# Altium PCB as_x31.PcbDoc (part 5 of 5) (continued)
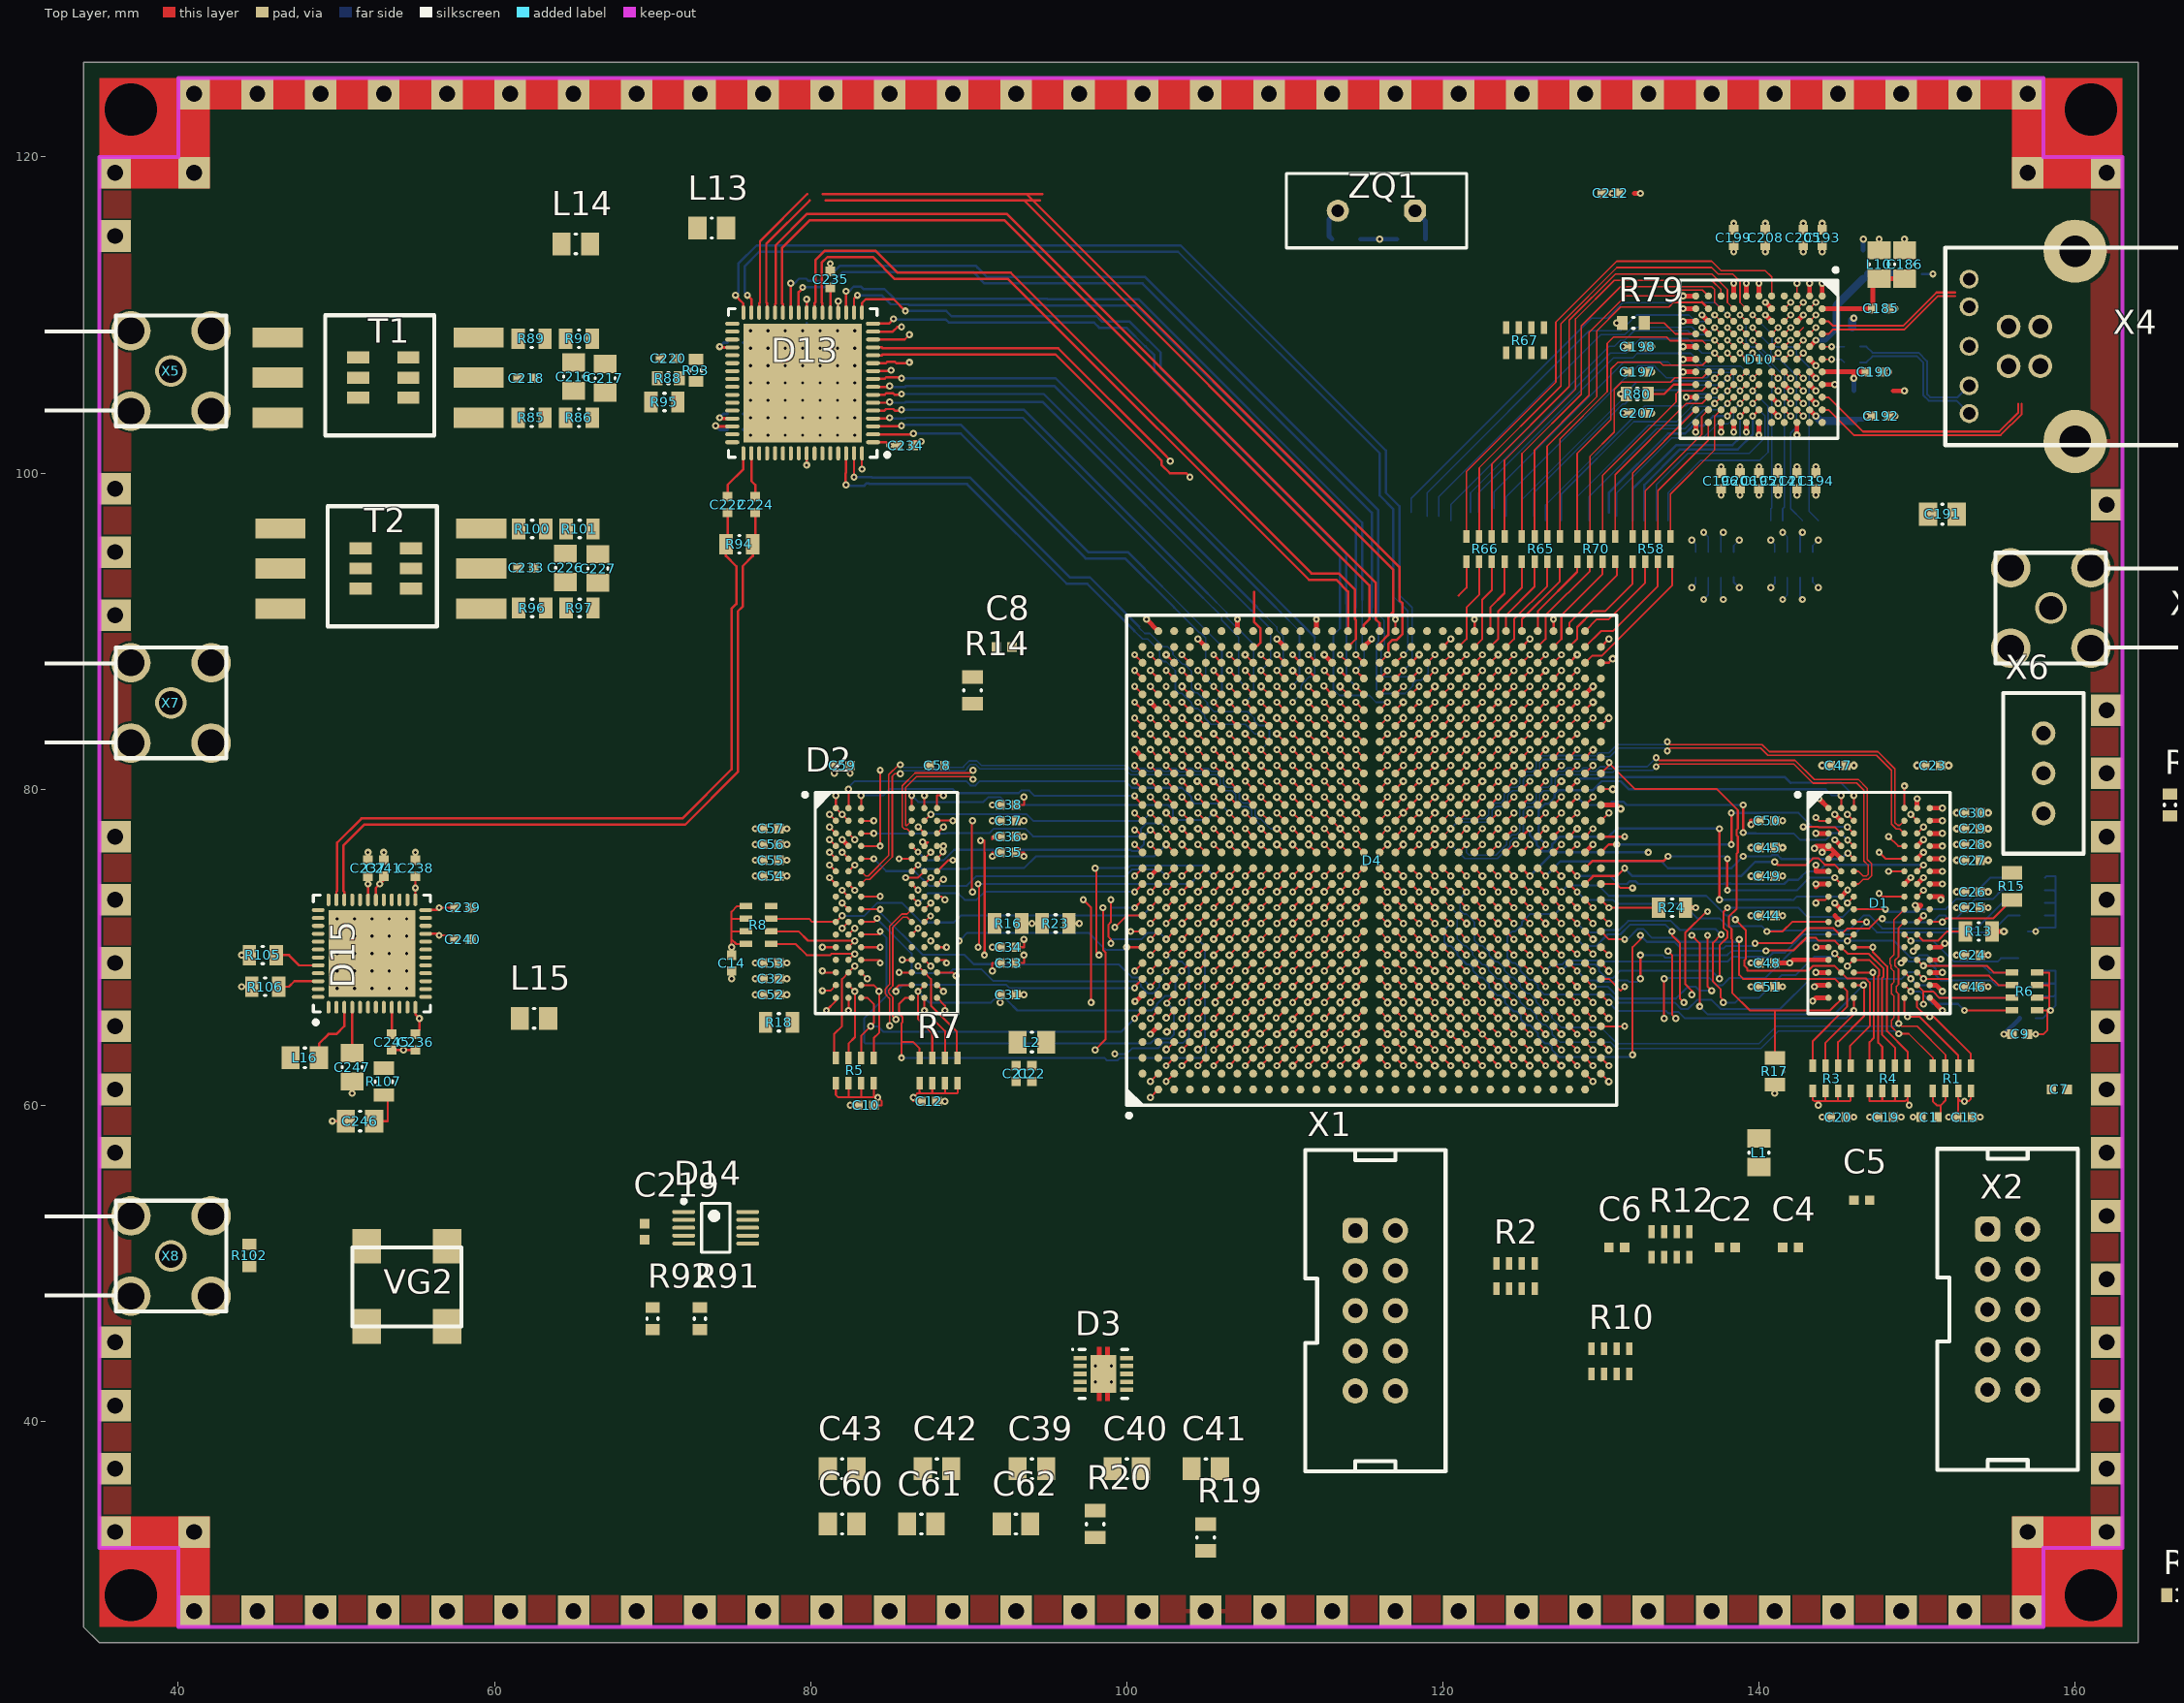
[diagram p0: Top Layer view]
## Nets (pads, with @x,y where several pads share a name; then routed paths per layer and width w, separated by ;. In a path a pad name is that pad's centre, name@x,y a point inside that pad or via, vN(x,y) a via of type N, cw(c..) or ccw(c..) an arc to the next point about the centre after c; other vN are vias at no path point) (continued)
V1P2D: C184.2 C192.2 C193.2 C194.2 C195.2 C196.2 C197.2 C198.2 C199.2 C200.2 C201.2 D10.B10 D10.C3 D10.E9 D10.F11 D10.H1 D10.J11 D10.L5 D10.L7 D12.10 D12.11 D12.12 D12.13 D12.14 L10.1 L11.1 L12.1 R82.2 | length 13.5
  Top Layer w0.3: C197.2@132.8,106.4 v1(133.2,106.4) ; C198.2@132.8,108 v1(133.2,108) ; v1(135.2,106.4) D10.L7@136,106.4 ; v1(135.2,108) D10.L5@136,108 ; C196.2@137.6,100 v1(137.6,100.4) ; v1(137.6,102.6) D10.J11@137.6,103.2 ; D10.H1@138.4,111.2 v1(138.4,112) ; v1(138.4,114) C199.2@138.4,114.4 ; C195.2@140,100 v1(140,100.4) ; v1(140,102.4) D10.F11@140,103.2 ; D10.E9@140.8,104.8 v1(141.2,104.4) ; D10.C3@142.4,109.6 v1(142.8,110) ; D10.B10@143.2,104 v1(143.6,103.6) ; C194.2@143.6,100 v1(143.6,100.4) ; v1(144,114) C193.2@144,114.4 ; v1(146.8,103.6) C192.2@147.2,103.6 ; L10.1@147.6,114.1 v1(147.6,114.8)
  Bottom Layer w0.3: L12.1@146,103.4 146.6,103.4 v1(146.8,103.6) ; L11.1@146.6,114.1 v1(146.6,114.8)
  Bottom Layer w0.5: v1(143.6,103.6) 143.9,103.3 L12.1@146,103.3
V1P5D: C23.2 C24.2 C25.2 C26.2 C27.2 C28.2 C29.2 C30.2 C31.2 C32.2 C33.2 C34.2 C35.2 C36.2 C37.2 C38.2 C42.2 C44.2 C45.2 C46.2 C47.2 C48.2 C49.2 C50.2 C51.2 C52.2 C53.2 C54.2 C55.2 C56.2 C57.2 C58.2 C59.2 C61.2 C62.2 C111.2 C112.2 C113.2 C114.2 C115.2 C116.2 C117.2 C124.2 C125.2 C126.2 C127.2 C128.2 C129.2 C130.2 C135.2 C136.2 C137.2 C138.2 C171.2 C172.2 D1.A1 D1.A8 D1.B2 D1.C1 D1.C9 D1.D2 D1.D9 D1.E9 D1.F1 D1.G7 D1.H2 D1.H9 D1.K2 D1.K8 D1.N1 D1.N9 D1.R1 D1.R9 D2.A1 D2.A8 D2.B2 D2.C1 D2.C9 D2.D2 D2.D9 D2.E9 D2.F1 D2.G7 D2.H2 D2.H9 D2.K2 D2.K8 D2.N1 D2.N9 D2.R1 D2.R9 D3.2 D3.7 D3.10 D4.A7 D4.A22 D4.AA12 D4.AB15 D4.AC18 D4.AD21 D4.AE14 D4.AF17 D4.AG10 D4.AG20 D4.AH13 D4.AH23 D4.AJ16 D4.AJ26 D4.AK4 D4.AK9 D4.AK19 D4.B5 D4.B15 D4.B25 D4.C8 D4.C18 D4.D11 D4.D21 D4.E14 D4.E24 D4.F7 D4.F17 D4.G10 D4.G20 D4.H10 D4.H13 D4.H23 D4.J16 D4.K19 D4.L12 D4.Y19 D9.10 D9.11 D9.12 D9.13 D9.14 R17.1 R18.1 R19.2 R51.2 | length 74.9
  Top Layer w0.125: v1(76.5,74.5) C54.2@77,74.5 ; v1(76.5,75.5) C55.2@77,75.5 ; v1(76.5,76.5) C56.2@77,76.5 ; v1(76.5,77.5) C57.2@77,77.5 ; C52.2@78,67 v1@78.5,67 ; C32.2@78,68 v1(78.5,68) ; C53.2@78,69 v1(78.5,69) ; v1(80.75,67.25) 81.25,67.25 D2.R1@81.6,67.6 ; v1(81.2,75.2) D2.F1@81.6,74.8 ; v1(81.2,77.6) D2.C1@81.6,77.2 ; v1(81.5,81) C59.2@81.5,81.5 ; v1(81.6,79.6) D2.A1@81.6,78.8 v1(82,78.4) D2.B2@82.4,78 ; v1(82,71.2) D2.K2@82.4,71.6 ; v1(82,73.6) D2.H2@82.4,73.2 ; D2.G7@86.4,74 86.797,73.603 v1(86.797,73.625) ; D2.K8@87.2,71.6 87.6,72 87.597,71.997 v1(87.597,71.975) ; D2.A8@87.2,78.8 v1(87.2,79.6) ; D2.R9@88,67.6 v1(88.4,67.2) ; D2.N9@88,69.2 88.6,69.2 v1(88.6,69) ; D2.H9@88,73.2 88.3,73.2 v1(88.5,73) ; D2.E9@88,75.6 88.4,76 v1(88.367,76.033) ; D2.D9@88,76.4 v1(88.4,76.4) ; D2.C9@88,77.2 v1(88.4,77.6) ; v1(91.5,68.5) 91.5,69 C33.2@92,69 ; v1(91.5,70) C34.2@92,70 ; v1(91.5,75.75) 91.5,76 ; 91.5,76 C35.2@92,76 ; v1(91.5,78) C37.2@92,78 ; v1(91.5,79) C38.2@92,79 ; v1(91.75,77) 91.675,77 91.5,76.825 91.5,77 C36.2@92,77 ; v1(92,66.5) C31.2@92,67 ; v2(102.5,67.5) D4.C8@103,68 ; v2(102.5,78.5) D4.C18@103,78 ; v2(103.5,70.5) D4.D11@104,71 ; v2(103.5,81.5) D4.D21@104,81 ; v2(104.5,73.5) D4.E14@105,74 ; v2(104.5,84.5) D4.E24@105,84 ; v1(105.5,77.5) D4.F17@106,77 ; v2(105.6,66.5) v2@105.5,66.5 ; v2(106.5,69.5) D4.G10@107,70 ; v1(106.5,80.5) D4.G20@107,80 ; v1(107.5,69.5) D4.H10@108,70 ; v2(107.5,72.5) D4.H13@108,73 ; v2(107.5,83.5) D4.H23@108,83 ; v2(108.505,76.479) 108.505,76.495 108.5,76.5 D4.J16@109,76 ; v2(109.5,79.5) D4.K19@110,79 ; v2(110.5,71.5) D4.L12@111,72 ; D4.Y19@120,79 v2(120.5,79.5) ; D4.AA12@121,72 v2(121.5,71.5) ; D4.AB15@122,75 v2(122.5,74.5) ; D4.AC18@123,78 v1(123.5,78.5) ; v2(124.506,81.479) 124.506,81.494 v2@124.5,81.5 ; D4.AE14@125,74 v1(125.5,73.5) ; D4.AF17@126,77 v2(126.5,77.5) ; D4.AG10@127,70 v1(127.5,69.5) ; D4.AG20@127,80 v2(127.5,80.5) ; D4.AH13@128,73 v2(128.5,72.5) ; D4.AH23@128,83 v1(128.5,83.5) ; D4.AK4@130,64 v2(130.5,63.5) ; D4.AK9@130,69 v2(130.5,68.5) ; v1(88.4,77.6) 88.5,77.5 88.5,77.775 88.4,77.675 v1(88.4,77.6) ; v2@105.5,66.5 v2@105.55,66.55 ; v2@105.5,66.5 D4.F7@106,67 ; v2@105.5,66.5 v2@105.55,66.55 ; v2@105.55,66.55 D4.F7@106,67 ; v2@105.55,66.55 D4.F7@106,67 ; v2@124.5,81.5 124.493,81.493 D4.AD21@124,81 v2@124.5,81.5
  Top Layer w0.3: v1(82,76.8) D2.D2@82.4,76.4 ; v1(100.5,82.5) D4.A22@101,82 ; v1(100.526,66.575) 100.5,66.575 100.5,66.5 D4.A7@101,67 ; v1(101.5,64.5) D4.B5@102,65 ; v1(101.5,74.5) D4.B15@102,75 ; v1(101.5,85.5) D4.B25@102,85 ; D4.AJ16@129,76 v1(129.5,76.5) ; D4.AJ26@129,86 v2(129.5,86.5) ; D4.AK19@130,79 131,79 v2(131.25,78.75) ; v1(141,60.75) R17.1@141,61.3 ; C51.2@141,67.5 v1(141.5,67.5) ; C48.2@141,69 v1(141.95,69) 142.15,69.2 D1.N1@144.4,69.2 ; C44.2@141,72 v1(141.5,72) ; C49.2@141,74.5 v1(141.5,74.5) ; C45.2@141,76.3 v2(141.5,76.3) ; C50.2@141,78 v1(141.5,78) ; v1(143.5,67.5) 143.6,67.6 D1.R1@144.4,67.6 ; v1(143.6,75.2) 143.6,74.8 D1.F1@144.4,74.8 ; v1(143.6,77.2) D1.C1@144.4,77.2 ; v1(143.8,79.4) D1.A1@144.4,78.8 ; v2(144,81.5) C47.2@144.5,81.5 ; v1(144.789,76.789) 144.8,76.8 D1.D2@145.2,76.4 ; 144.8,72 D1.K2@145.2,71.6 145,71.8 v1(145,71.5) ; v1(144.8,78.4) D1.B2@145.2,78 ; D1.H2@145.2,73.2 145.603,73.603 v1(145.603,73.625) ; D1.G7@149.2,74 v1(149.6,74.4) ; D1.K8@150,71.6 v1(150.4,72) ; D1.A8@150,78.8 v1(150,79.4) ; v2(150,81.5) C23.2@150.5,81.5 ; D1.R9@150.8,67.6 151.2,67.6 v1(151.6,67.2) ; D1.N9@150.8,69.2 151.4,69.2 151.45,69.25 v1(151.5,69.25) ; D1.H9@150.8,73.2 151.6,73.2 151.5,73.1 v1(151.5,73) ; D1.E9@150.8,75.6 v1(151.6,75.6) ; D1.D9@150.8,76.4 v1(151.6,76.4) ; D1.C9@150.8,77.2 v1(151.6,77.2) ; v1(152.5,67.5) C46.2@153,67.5 ; v1(152.5,69.5) C24.2@153,69.5 ; v1(152.5,72.5) C25.2@153,72.5 ; v2(152.5,73.5) C26.2@153,73.5 ; v2(152.5,75.5) C27.2@153,75.5 ; v1(152.5,76.5) C28.2@153,76.5 ; v2(152.5,77.5) C29.2@153,77.5 ; v2(152.5,78.5) C30.2@153,78.5
  other v1: 78.5,67
V1P8A: C230.2 C231.2 C232.2 D13.36 D13.45 D13.46 L13.1 | length 4.8
  Top Layer w0.2: v1(74,103) 74.05,102.95 D13.46@75.05,102.95 ; v1(74.25,103.5) 74.3,103.45 D13.45@75.05,103.45 ; v1(74.25,108) 74.3,107.95 D13.36@75.05,107.95
  Bottom Layer w0.2: v1(74,103) 74.25,102.75 C231.2@74.75,102.75 ; v1(74.25,103.5) 74.5,103.75 C232.2@74.75,103.75 ; v1(74.25,108) 74.5,108.25 C230.2@74.75,108.25
V1P8D: C147.2 C148.2 C202.2 C203.2 C204.2 C205.2 C206.2 C207.2 C208.2 C234.2 C235.2 D9.1 D9.2 D9.3 D9.4 D9.15 D9.16 D10.B1 D10.E3 D10.F1 D10.H11 D10.L9 D12.1 D12.2 D12.3 D12.4 D12.15 D12.16 D13.1 D13.21 L5.2 L6.2 L13.2 L14.2 R40.2 R56.2 R77.2 R78.2 R81.2 R84.2 | length 8.2
  Top Layer w0.15: D13.21@81.25,110.15 C235.2@81.25,111.75 ; D13.1@83.95,101.95 84.8,101.95 v1(85,101.75) C234.2@85.5,101.75
  Top Layer w0.3: C207.2@132.8,103.8 v1(133.2,103.8) ; v1(135.4,104.8) D10.L9@136,104.8 ; v1(138.4,102.6) D10.H11@138.4,103.2 ; C206.2@138.8,100 v1(138.8,100.4) ; D10.F1@140,111.2 v1(140,112) ; v1(140.4,110) D10.E3@140.8,109.6 ; v1(140.4,114) C208.2@140.4,114.4 ; v1(142.8,114) C205.2@142.8,114.4 ; D10.B1@143.2,111.2 v1(143.2,112)
V1P8DVDD: C228.2 C229.2 D13.24 D13.57 L14.1 | length 2.6
  Top Layer w0.15: v1(79.75,100.5) D13.57@79.75,101.25 ; D13.24@79.75,110.15 v1(79.75,111)
  Bottom Layer w0.15: v1(79.75,100.5) C229.2@79.75,101 ; C228.2@79.75,110.5 v1(79.75,111)
V2P5D: C97.2 C98.2 C99.2 C100.2 C101.2 C102.2 C103.2 C104.2 C105.2 C106.2 C107.2 C108.2 C122.2 C123.2 C131.2 C132.2 C133.2 C134.2 C139.2 C140.2 C141.2 C142.2 C162.2 C163.2 D4.AA22 D4.AB11 D4.AB25 D4.AC12 D4.AC17 D4.AC20 D4.AC28 D4.AD10 D4.AD15 D4.AE11 D4.AE21 D4.AE24 D4.AF27 D4.AG30 D4.C28 D4.D24 D4.F11 D4.F21 D4.F23 D4.F27 D4.G13 D4.G16 D4.G19 D4.G30 D4.J26 D4.K23 D4.K29 D4.L22 D4.M24 D4.M25 D4.N28 D4.P21 D4.P24 D4.R24 D4.T26 D4.T27 D4.U24 D4.U30 D4.W23 D4.W25 D4.W26 D4.Y29 L3.2 L4.2 L8.2 R47.2 | length 30.6
  Top Layer w0.125: v2(103.5,84.5) D4.D24@104,84 ; v2(105.5,70.5) D4.F11@106,71 ; v1(105.5,81.5) D4.F21@106,81 ; v2(105.5,83.5) D4.F23@106,83 ; v1(106.5,72.5) D4.G13@107,73 ; v2(106.5,76.5) D4.G16@107,76 ; v2(106.5,79.5) D4.G19@107,79 ; v2(108.5,86.5) D4.J26@109,86 ; v2(109.5,83.5) D4.K23@110,83 ; v1(110.5,82.5) D4.L22@111,82 ; v1(111.5,84.5) D4.M24@112,84 ; v2(111.5,85.5) D4.M25@112,85 ; v2(113.5,81.5) D4.P21@114,81 ; v2(113.5,84.5) D4.P24@114,84 ; v1(114.5,84.5) D4.R24@115,84 ; D4.U24@117,84 v2(117.5,84.5) ; D4.W23@119,83 v2(119.5,83.5) ; D4.AA22@121,82 v2(121.5,82.5) ; D4.AB11@122,71 v1(122.5,70.5) ; D4.AC12@123,72 v2(123.5,71.5) ; D4.AC17@123,77 v2(123.5,77.5) ; D4.AC28@123,88 v2(123.5,88.5) ; v1(123.506,80.479) 123.506,80.494 v1@123.5,80.5 ; D4.AD10@124,70 v1(124.5,69.5) ; D4.AD15@124,75 v2(124.5,74.5) ; D4.AE11@125,71 v2(125.5,70.5) ; D4.AE21@125,81 v2(125.5,81.5) ; v1@123.5,80.5 123.492,80.492 D4.AC20@123,80 v1@123.5,80.5
  Top Layer w0.15: v2(102.5,88.5) D4.C28@103,88 ; v1(105.5,87.5) D4.F27@106,87 ; D4.T26@116,86 v2(116.5,86.5) ; D4.T27@116,87 v1(116.5,87.5) ; D4.U30@117,90 v1(117,90.75) ; D4.W25@119,85 v1(119.5,85.5) ; D4.W26@119,86 v2(119.5,86.5) ; D4.Y29@120,89 v1(120.5,89.5) ; D4.AB25@122,85 v1(122.5,85.5) ; D4.AE24@125,84 v2(125.5,84.5) ; D4.AF27@126,87 v2(126.5,87.5) ; D4.AG30@127,90 v1(127,90.75)
  Top Layer w0.3: D4.G30@107,90 v1(107,90.75) ; v1(109.5,89.5) D4.K29@110,89 ; v2(112.5,88.5) D4.N28@113,88
V3P3D: C145.2 C146.2 C159.2 C160.2 C173.1 C174.1 C175.1 C176.1 C209.2 C210.2 C211.2 C212.2 C213.2 C214.2 C223.2 D5.8 D6.4 D6.6 D6.7 D6.10 D6.11 D6.12 D6.18 D6.19 D6.20 D6.21 D10.B6 D10.C11 D10.E10 D11.8 D14.2 L9.2 L15.2 R34.2 R50.2 R62.1 R75.2 R76.2 R91.2 R102.1 R103.2 R108.1 VD2.2 VG1.4 VG2.4 X2.5 X2.7 | length 2.7
  Top Layer w0.3: D10.E10@140.8,104 v1(141.2,103.6) ; C214.2@141.2,100 v1(141.2,100.4) ; C213.2@142.4,100 v1(142.4,100.4) ; v1(142.4,102.4) D10.C11@142.4,103.2 ; D10.B6@143.2,107.2 v1(143.6,106.8)
VCC_AUX: C82.2 C83.2 C84.2 C85.2 C86.2 D4.AC10 D4.AC16 D4.AD22 D4.G11 D4.H16 D4.H22 L4.1 | length 4.2
  Top Layer w0.125: v2(106.5,70.5) D4.G11@107,71 ; v2(107.5,76.5) D4.H16@108,76 ; v1(107.5,82.5) D4.H22@108,82 ; D4.AC10@123,70 v2(123.5,69.5) ; D4.AC16@123,76 v1(123.5,76.5) ; D4.AD22@124,82 v2(124.5,82.5)
VCCPGM: C95.2 C96.2 C109.2 C110.2 D4.AB24 D4.AC8 D4.AC11 D4.AD11 D4.F10 D4.U10 D4.Y9 L5.1 R25.1 R26.1 R27.2 R28.2 R29.2 R30.1 R31.1 R32.1 X1.4 | length 4.9
  Top Layer w0.125: v2(105.5,69.5) D4.F10@106,70 ; D4.U10@117,70 v1(117.5,69.5) ; D4.Y9@120,69 v2(120.5,68.5) ; D4.AC8@123,68 v2(123.5,67.5) ; D4.AC11@123,71 v1(123.5,70.5) ; D4.AD11@124,71 v1(124.5,70.5)
  Top Layer w0.15: D4.AB24@122,84 v2(122.5,84.5)
VREF: C220.1 C221.1 D13.39 R93.2
VREFDDR0: C3.1 C5.1 C7.1 C9.1 C11.1 C13.1 C15.2 C16.2 C19.2 C20.2 C118.2 C119.2 D1.H1 D1.M8 D4.AH16 D4.AJ13 L1.2 R1.3 R1.4 R3.1 R3.2 R3.3 R3.4 R4.1 R4.2 R4.3 R4.4 R6.1 R6.2 R6.3 R6.4 R9.1 R9.2 R9.3 R9.4 R11.1 R11.2 R11.3 R11.4 | length 45.3
  Top Layer w0.125: D4.AH16@128,76 v1(128.5,76.5) ; D4.AJ13@129,73 v1(129.5,72.5) ; R3.1@143.4,60.9 143.4,60.35 143.5,60.25 ; v1(143.6,72.8) 143.6,73 144.2,73 D1.H1@144.4,73.2 ; v1(143.75,60) 143.75,60.25 ; v1(144,59.25) C20.2@144.5,59.25 ; 144.2,60.3 R3.2@144.2,60.9 ; R3.3@145,60.9 145,60.25 ; R3.4@145.8,60.9 145.8,60.3 145.75,60.25 145,60.25 ; R4.1@147,60.9 147,60.25 147.75,60.25 ; R4.2@147.8,60.9 147.8,60.3 147.75,60.25 ; C19.2@148.5,59.25 v1(149,59.25) ; R4.3@148.6,60.9 148.6,60.35 148.5,60.25 ; R4.4@149.4,60.9 149.4,60.4 ; v1(149.5,60) 149.4,60.1 149.4,60.4 ; v1(149.76,69.76) D1.M8@150,70 ; v1(152,59.25) C13.1@152.5,59.25 ; C13.1@152.6,59.35 152.6,60.4 ; R1.3@152.6,60.9 152.6,60.4 ; R1.4@153.4,60.9 153.4,60.4 153.25,60.25 v1(153,60.25) 152.75,60.25 152.6,60.4 ; C9.1@157,64.5 v1(157.5,64.5) 158,64.5 158.25,64.75 ; R6.1@157.6,66 v1@158.25,66 ; R6.2@157.6,66.8 158.35,66.8 ; R6.3@157.6,67.6 158.25,67.6 158.35,67.5 ; R6.4@157.6,68.4 158.35,68.4 158.35,67.5 ; v1@158.35,66.1 158.35,66.8 ; v1(158.45,66) v1@158.25,66 ; 143.5,60.25 143.75,60.25 ; 143.5,60.25 143.75,60.25 ; 143.5,60.25 143.75,60.25 ; 143.75,60.25 145,60.25 ; 143.75,60.25 145,60.25 ; 143.75,60.25 145,60.25 ; 147.75,60.25 148.5,60.25 ; 148.5,60.25 149.25,60.25 149.4,60.4 ; 158.25,64.75 v1@158.25,66 ; 158.25,64.75 v1@158.25,66 ; 158.25,64.75 v1@158.25,66 ; 158.35,66.8 158.35,67.5
  Bottom Layer w0.125: C3.1@157,71 v1(157.5,71) ; C11.1@157.5,65.5 157.95,65.5 v1(158.45,66) 158.75,66.3 158.75,67 ; v1(157.5,71) 157.75,71.25 158.75,71.25 158.75,72 ; R9.4@158,66.9 158.65,66.9 158.75,67 ; R9.3@158,67.7 158.7,67.7 158.75,67.75 ; R9.2@158,68.5 158.75,68.5 158.75,67.75 ; R11.4@158.1,72 158.75,72 ; R11.3@158.1,72.8 158.7,72.8 158.75,72.75 ; R11.2@158.1,73.6 158.65,73.6 158.75,73.5 ; R11.1@158.1,74.4 158.2,74.5 158.75,74.5 158.75,73.5 ; 158.75,67 158.75,67.75 ; 158.75,72 158.75,72.75 ; 158.75,72.75 158.75,73.5
VREFDDR1: C4.1 C6.1 C8.1 C10.1 C12.1 C14.1 C17.2 C18.2 C120.2 C121.2 D2.M8 D4.B9 D4.B16 L2.2 R2.3 R5.1 R5.2 R5.3 R5.4 R7.1 R7.2 R7.3 R7.4 R8.1 R8.2 R8.3 R8.4 R10.1 R10.2 R10.3 R10.4 R12.1 R12.2 R12.3 R12.4 | length 21.6
  Top Layer w0.125: C14.1@75,69.5 v1(75,70) 75,70.5 ; R8.4@75.9,70.2 75.3,70.2 75,70.5 ; R8.3@75.9,71 75,71 ; R8.2@75.9,71.8 75.05,71.8 75,71.75 ; R8.1@75.9,72.6 75.35,72.6 75,72.25 75,71.75 ; R5.1@81.6,61.4 81.6,60.65 81.75,60.5 82.5,60.5 ; R5.2@82.4,61.4 82.4,60.6 82.5,60.5 ; 83.2,60.55 R5.3@83.2,61.4 ; C10.1@84,60 84.5,60 84.5,60.25 v1(84.25,60.5) 84,60.5 ; R5.4@84,61.4 84,60.5 ; R7.1@86.9,61.4 86.9,60.85 87,60.75 ; C12.1@87,60.25 86.5,60.25 v1(86.5,60.5) 86.75,60.75 87,60.75 ; R7.2@87.7,61.4 87.7,60.8 87.75,60.75 ; R7.3@88.5,61.4 88.5,60.75 ; R7.4@89.3,61.4 89.3,60.8 89.25,60.75 88.5,60.75 ; v1(101.5,68.5) D4.B9@102,69 ; v1(101.5,76.5) D4.B16@102,76 ; 75,70.5 75,71 ; 75,71 75,71.75 ; 82.5,60.5 84,60.5 ; 87,60.75 87.75,60.75 ; 87.75,60.75 88.5,60.75
  other v1: 87.6,70.4
pads on no net: C120.1 C121.1 D1.J1 D1.J9 D1.L1 D1.L9 D1.M7 D2.J1 D2.J9 D2.L1 D2.L9 D2.M7 D3.9 D4.A2 D4.A3 D4.A4 D4.A5 D4.A21 D4.A25 D4.A28 D4.A29 D4.AA7 D4.AA8 D4.AA9 D4.AA10 D4.AA11 D4.AA13 D4.AA15 D4.AA20 D4.AA23 D4.AA24 D4.AA25 D4.AA28 D4.AA29 D4.AA30 D4.AB3 D4.AB4 D4.AB7 D4.AB8 D4.AB9 D4.AB12 D4.AB13 D4.AB14 D4.AB16 D4.AB17 D4.AB18 D4.AB19 D4.AB27 D4.AB28 D4.AC9 D4.AC14 D4.AC15 D4.AC19 D4.AC21 D4.AC24 D4.AC26 D4.AC27 D4.AC29 D4.AD3 D4.AD4 D4.AD8 D4.AD9 D4.AD12 D4.AD13 D4.AD14 D4.AD18 D4.AD19 D4.AD20 D4.AD27 D4.AD28 D4.AD29 D4.AE5 D4.AE7 D4.AE10 D4.AE12 D4.AE13 D4.AE18 D4.AE20 D4.AE22 D4.AE23 D4.AE25 D4.AE26 D4.AE27 D4.AE28 D4.AF3 D4.AF4 D4.AF6 D4.AF7 D4.AF8 D4.AF10 D4.AF18 D4.AF19 D4.AF20 D4.AF21 D4.AF24 D4.AF25 D4.AF26 D4.AF28 D4.AG6 D4.AG7 D4.AG8 D4.AG12 D4.AG18 D4.AG19 D4.AG21 D4.AG22 D4.AG23 D4.AG24 D4.AG27 D4.AG28 D4.AH4 D4.AH5 D4.AH6 D4.AH7 D4.AH21 D4.AH22 D4.AH24 D4.AH26 D4.AH27 D4.AJ1 D4.AJ2 D4.AJ3 D4.AJ4 D4.AJ5 D4.AJ17 D4.AJ20 D4.AJ23 D4.AJ27 D4.AK3 D4.AK15 D4.AK22 D4.AK23 D4.AK25 D4.AK26 D4.AK27 D4.B3 D4.B4 D4.B21 D4.B23 D4.B24 D4.B26 D4.B28 D4.B29 D4.C12 D4.C19 D4.C20 D4.C21 D4.C24 D4.C25 D4.C27 D4.C29 D4.C30 D4.D3 D4.D4 D4.D6 D4.D7 D4.D8 D4.D10 D4.D14 D4.D15 D4.D18 D4.D19 D4.D20 D4.D22 D4.D23 D4.D25 D4.D27 D4.D28 D4.D29 D4.D30 D4.E1 D4.E2 D4.E6 D4.E7 D4.E8 D4.E13 D4.E18 D4.E21 D4.E22 D4.E25 D4.E26 D4.E27 D4.E28 D4.E30 D4.F3 D4.F4 D4.F6 D4.F8 D4.F13 D4.F14 D4.F19 D4.F24 D4.F28 D4.F29 D4.F30 D4.G1 D4.G2 D4.G6 D4.G7 D4.G8 D4.G9 D4.G12 D4.G14 D4.G17 D4.G22 D4.G23 D4.G26 D4.G27 D4.G28 D4.G29 D4.H3 D4.H4 D4.H7 D4.H9 D4.H12 D4.H14 D4.H15 D4.H17 D4.H19 D4.H24 D4.H27 D4.H29 D4.H30 D4.J1 D4.J2 D4.J7 D4.J9 D4.J10 D4.J12 D4.J13 D4.J14 D4.J18 D4.J19 D4.J25 D4.J28 D4.J29 D4.J30 D4.K3 D4.K4 D4.K8 D4.K10 D4.K11 D4.K12 D4.K13 D4.K15 D4.K18 D4.K20 D4.K21 D4.K22 D4.K25 D4.K26 D4.K28 D4.K30 D4.L7 D4.L9 D4.L10 D4.L11 D4.L13 D4.L14 D4.L15 D4.L18 D4.L19 D4.L20 D4.L21 D4.L23 D4.L24 D4.L28 D4.L29 D4.L30 D4.M3 D4.M4 D4.M11 D4.M12 D4.M21 D4.M22 D4.M23 D4.M27 D4.M28 D4.M29 D4.N9 D4.N10 D4.N11 D4.N12 D4.N20 D4.N21 D4.N22 D4.N29 D4.N30 D4.P3 D4.P4 D4.P10 D4.P12 D4.P20 D4.P22 D4.P23 D4.P28 D4.R10 D4.R11 D4.R12 D4.R20 D4.R21 D4.R22 D4.R23 D4.T3 D4.T4 D4.T9 D4.T10 D4.T11 D4.T21 D4.T23 D4.T24 D4.U8 D4.U9 D4.U11 D4.U12 D4.U21 D4.U22 D4.U23 D4.U26 D4.U29 D4.V3 D4.V4 D4.V9 D4.V10 D4.V11 D4.V12 D4.V21 D4.V22 D4.V24 D4.V25 D4.V26 D4.V29 D4.V30 D4.W10 D4.W12 D4.W22 D4.W24 D4.W27 D4.W29 D4.W30 D4.Y3 D4.Y4 D4.Y10 D4.Y11 D4.Y15 D4.Y20 D4.Y22 D4.Y27 D4.Y28 D4.Y30 D6.13 D6.15 D7.10 D8.14 D9.7 D9.8 D10.A11 D10.B11 D10.C2 D10.C4 D10.C10 D10.D1 D10.D6 D10.D11 D10.E7 D10.E8 D10.F2 D10.F6 D12.7 D12.8 D13.33 D13.34 D13.35 D13.53 D13.54 D13.55 D13.56 D13.58 D13.59 D13.60 D13.61 D15.2 D15.7 D15.11 D15.17 D15.18 D15.19 D15.20 D15.22 D15.23 D15.26 D15.27 D15.28 D15.29 D15.32 D15.33 D15.38 D15.39 D15.41 D15.42 R2.4 R2.5 R2.6 R2.7 R2.8 R8.8 R10.5 R10.6 R10.7 R10.8 R12.5 R12.6 R12.7 R12.8 R63.5 R63.6 R63.7 R63.8 R64.5 R64.6 R64.7 R64.8 R67.5 R67.6 R67.7 R67.8 R69.5 R69.6 R69.7 R69.8 R71.5 R71.6 R71.7 R71.8 R72.5 R72.6 R72.7 R72.8 R73.5 R73.6 R73.7 R73.8 R74.3 R74.4 R74.5 R74.6 R74.7 R74.8 R99.1 R?.2 T1.5 T1.11 T1.12 T1.13 T1.14 T1.15 T1.16 T2.5 T2.11 T2.12 T2.13 T2.14 T2.15 T2.16 X1.6 X1.7 X1.8
copper on no net: | length 216.4
  Top Layer w0.1: v1(139.6,107.6) 140,107.2 ; 140.8,105.6 v1(141.2,105.2) ; 140.8,106.4 v1(141.2,106) ; 141.6,107.2 v1(142,107.6) ; 142.4,104 v1(142.8,103.6) ; 142.4,108.8 142.8,109.2 ; 142.4,110.4 v1(142.8,110.8)
  Top Layer w0.125: v1(100.5,81.5) 101,81 ; v1(100.5,85.5) 101,85 ; v1(100.5,88.5) 101,88 ; v1(101.5,81.5) 102,81 ; v1(101.5,83.5) 102,83 ; v1(101.5,84.5) 102,84 ; v1(101.5,86.5) 102,86 ; v1(101.5,88.5) 102,88 ; v1(102.5,71.5) 103,72 ; v1(102.5,79.5) 103,79 ; v1(102.5,80.5) 103,80 ; v1(102.5,81.5) 103,81 ; v1(102.5,84.5) 103,84 ; v1(102.5,85.5) 103,85 ; v1(102.5,87.5) 103,87 ; v1(103.5,62.5) 104,63 ; v1(103.5,63.5) 104,64 ; v1(103.5,65.5) 104,66 ; v1(103.5,66.5) 104,67 ; v1(103.5,67.5) 104,68 ; v1(103.5,69.5) 104,70 ; v1(103.5,73.5) 104,74 ; v1(103.5,74.5) 104,75 ; v1(103.5,78.5) 104,78 ; v1(103.5,79.5) 104,79 ; v1(103.5,80.5) 104,80 ; v1(103.5,82.5) 104,82 ; v1(103.5,83.5) 104,83 ; v1(103.5,85.5) 104,85 ; v1(103.5,87.5) 104,87 ; v1(103.5,88.5) 104,88 ; v1(104.5,65.5) 105,66 ; v1(104.5,66.5) 105,67 ; v1(104.5,67.5) 105,68 ; v1(104.5,72.5) 105,73 ; v1(104.5,78.5) 105,78 ; v1(104.5,81.5) 105,81 ; v1(104.5,82.5) 105,82 ; v1(104.5,85.5) 105,85 ; v1(104.5,86.5) 105,86 ; v1(104.5,87.5) 105,87 ; v1(105.5,62.5) 106,63 ; v1(105.5,63.5) 106,64 ; v1(105.5,65.5) 106,66 ; v1(105.5,67.5) 106,68 ; v1(105.5,72.5) 106,73 ; v1(105.5,73.5) 106,74 ; v1(105.5,79.5) 106,79 ; v1(105.5,84.5) 106,84 ; v1(106.5,65.5) 107,66 ; v1(106.5,66.5) 107,67 ; v1(106.5,67.5) 107,68 ; v1(106.5,68.5) 107,69 ; v1(106.5,71.5) 107,72 ; v1(106.5,73.5) 107,74 ; v1(106.5,77.5) 107,77 ; v1(106.5,82.5) 107,82 ; v1(106.5,83.5) 107,83 ; v1(106.5,86.5) 107,86 ; v1(106.5,87.5) 107,87 ; v1(106.5,88.5) 107,88 ; v1(107.5,62.5) 108,63 ; v1(107.5,63.5) 108,64 ; v1(107.5,66.5) 108,67 ; v1(107.5,68.5) 108,69 ; v1(107.5,71.5) 108,72 ; v1(107.5,73.5) 108,74 ; v1(107.5,74.5) 108,75 ; v1(107.5,77.5) 108,77 ; v1(107.5,79.5) 108,79 ; v1(107.5,84.5) 108,84 ; v1(107.5,87.5) 108,87 ; v1(108.5,66.5) 109,67 ; v1(108.5,68.5) 109,69 ; v1(108.5,69.5) 109,70 ; v1(108.5,71.5) 109,72 ; v1(108.5,72.5) 109,73 ; v1(108.5,73.5) 109,74 ; v1(108.5,78.5) 109,78 ; v1(108.5,79.5) 109,79 ; v1(108.5,85.5) 109,85 ; v1(108.5,88.5) 109,88 ; v1(109.5,62.5) 110,63 ; v1(109.5,63.5) 110,64 ; v1(109.5,67.5) 110,68 ; v1(109.5,69.5) 110,70 ; v1(109.5,70.5) 110,71 ; v1(109.5,71.5) 110,72 ; v1(109.5,72.5) 110,73 ; v1(109.5,74.5) 110,75 ; v1(109.5,78.5) 110,78 ; v1(109.5,80.5) 110,80 ; v1(109.5,81.5) 110,81 ; v1(109.5,82.5) 110,82 ; v1(109.5,85.5) 110,85 ; v1(109.5,86.5) 110,86 ; v1(110.5,66.5) 111,67 ; v1(110.5,68.5) 111,69 ; v1(110.5,69.5) 111,70 ; v1(110.5,70.5) 111,71 ; v1(110.5,72.5) 111,73 ; v1(110.5,73.5) 111,74 ; v1(110.5,74.5) 111,75 ; v1(110.5,78.5) 111,78 ; v1(110.5,79.5) 111,79 ; v1(110.5,80.5) 111,80 ; v1(110.5,81.5) 111,81 ; v1(110.5,83.5) 111,83 ; v1(110.5,84.5) 111,84 ; v1(111.5,62.5) 112,63 ; v1(111.5,63.5) 112,64 ; v1(111.5,70.5) 112,71 ; v1(111.5,71.5) 112,72 ; v1(111.5,81.5) 112,81 ; v1(111.5,82.5) 112,82 ; v1(111.5,83.5) 112,83 ; v1(112.5,68.5) 113,69 ; v1(112.5,69.5) 113,70 ; v1(112.5,70.5) 113,71 ; v1(112.5,71.5) 113,72 ; v1(112.5,80.5) 113,80 ; v1(112.5,81.5) 113,81 ; v1(112.5,82.5) 113,82 ; v1(113.5,62.5) 114,63 ; v1(113.5,63.5) 114,64 ; v1(113.5,69.5) 114,70 ; v1(113.5,71.5) 114,72 ; v1(113.5,80.5) 114,80 ; v1(113.5,82.5) 114,82 ; v1(113.5,83.5) 114,83 ; v1(113.5,88.5) 114,88 ; v1(114.5,69.5) 115,70 ; v1(114.5,70.5) 115,71 ; v1(114.5,71.5) 115,72 ; v1(114.5,80.5) 115,80 ; v1(114.5,81.5) 115,81 ; v1(114.5,82.5) 115,82 ; v1(114.5,83.5) 115,83 ; 116,63 v1(116.5,62.5) ; 116,64 v1(116.5,63.5) ; 116,69 v1(116.5,68.5) ; 116,70 v1(116.5,69.5) ; 116,71 v1(116.5,70.5) ; 116,81 v1(116.5,81.5) ; 116,83 v1(116.5,83.5) ; 116,84 v1(116.5,84.5) ; 117,68 v1(117.5,67.5) ; 117,69 v1(117.5,68.5) ; 117,71 v1(117.5,70.5) ; 117,72 v1(117.5,71.5) ; 117,81 v1(117.5,81.5) ; 117,82 v1(117.5,82.5) ; 117,83 v1(117.5,83.5) ; 117,86 v1(117.5,86.5) ; 118,63 v1(118.5,62.5) ; 118,64 v1(118.5,63.5) ; 118,69 v1(118.5,68.5) ; 118,70 v1(118.5,69.5) ; 118,71 v1(118.5,70.5) ; 118,72 v1(118.5,71.5) ; 118,81 v1(118.5,81.5) ; 118,82 v1(118.5,82.5) ; 118,84 v1(118.5,84.5) ; 118,85 v1(118.5,85.5) ; 118,86 v1(118.5,86.5) ; 119,70 v1(119.5,69.5) ; 119,72 v1(119.5,71.5) ; 119,82 v1(119.5,82.5) ; 119,84 v1(119.5,84.5) ; 119,87 v1(119.5,87.5) ; 120,63 v1(120.5,62.5) ; 120,64 v1(120.5,63.5) ; 120,70 v1(120.5,69.5) ; 120,71 v1(120.5,70.5) ; 120,75 v1(120.5,74.5) ; 120,80 v1(120.5,80.5) ; 120,82 v1(120.5,82.5) ; 120,87 v1(120.5,87.5) ; 120,88 v1(120.5,88.5) ; 121,67 v1(121.5,66.5) ; 121,68 v1(121.5,67.5) ; 121,69 v1(121.5,68.5) ; 121,70 v1(121.5,69.5) ; 121,71 v1(121.5,70.5) ; 121,73 v1(121.5,72.5) ; 121,75 v1(121.5,74.5) ; 121,80 v1(121.5,80.5) ; 121,83 v1(121.5,83.5) ; 121,84 v1(121.5,84.5) ; 121,85 v1(121.5,85.5) ; 121,88 v1(121.5,88.5) ; 122,63 v1(122.5,62.5) ; 122,64 v1(122.5,63.5) ; 122,67 v1(122.5,66.5) ; 122,68 v1(122.5,67.5) ; 122,69 v1(122.5,68.5) ; 122,72 v1(122.5,71.5) ; 122,73 v1(122.5,72.5) ; 122,74 v1(122.5,73.5) ; 122,76 v1(122.5,76.5) ; 122,77 v1(122.5,77.5) ; 122,78 v1(122.5,78.5) ; 122,79 v1(122.5,79.5) ; 122,87 v1(122.5,87.5) ; 122,88 v1(122.5,88.5) ; 123,69 v1(123.5,68.5) ; 123,74 v1(123.5,73.5) ; 123,75 v1(123.5,74.5) ; 123,79 v1(123.5,79.5) ; 123,81 v1(123.5,81.5) ; 123,84 v1(123.5,84.5) ; 123,86 v1(123.5,86.5) ; 123,87 v1(123.5,87.5) ; 124,63 v1(124.5,62.5) ; 124,64 v1(124.5,63.5) ; 124,68 v1(124.5,67.5) ; 124,69 v1(124.5,68.5) ; 124,72 v1(124.5,71.5) ; 124,73 v1(124.5,72.5) ; 124,74 v1(124.5,73.5) ; 124,78 v1(124.5,78.5) ; 124,79 v1(124.5,79.5) ; 124,80 v1(124.5,80.5) ; 124,87 v1(124.5,87.5) ; 124,88 v1(124.5,88.5) ; 125,65 v1(125.5,64.5) ; 125,67 v1(125.5,66.5) ; 125,70 v1(125.5,69.5) ; 125,72 v1(125.5,71.5) ; 125,73 v1(125.5,72.5) ; 125,78 v1(125.5,78.5) ; 125,80 v1(125.5,80.5) ; 125,82 v1(125.5,82.5) ; 125,83 v1(125.5,83.5) ; 125,85 v1(125.5,85.5) ; 125,86 v1(125.5,86.5) ; 125,87 v1(125.5,87.5) ; 125,88 v1(125.5,88.5) ; 126,63 v1(126.5,62.5) ; 126,64 v1(126.5,63.5) ; 126,66 v1(126.5,65.5) ; 126,67 v1(126.5,66.5) ; 126,68 v1(126.5,67.5) ; 126,70 v1(126.5,69.5) ; 126,78 v1(126.5,78.5) ; 126,79 v1(126.5,79.5) ; 126,80 v1(126.5,80.5) ; 126,81 v1(126.5,81.5) ; 126,84 v1(126.5,84.5) ; 126,85 v1(126.5,85.5) ; 126,86 v1(126.5,86.5) ; 126,88 v1(126.5,88.5) ; 127,66 v1(127.5,65.5) ; 127,67 v1(127.5,66.5) ; 127,68 v1(127.5,67.5) ; 127,72 v1(127.5,71.5) ; 127,78 v1(127.5,78.5) ; 127,79 v1(127.5,79.5) ; 127,81 v1(127.5,81.5) ; 127,82 v1(127.5,82.5) ; 127,83 v1(127.5,83.5) ; 127,84 v1(127.5,84.5) ; 127,87 v1(127.5,87.5) ; 127,88 v1(127.5,88.5) ; 128,64 v1(128.5,63.5) ; 128,65 v1(128.5,64.5) ; 128,66 v1(128.5,65.5) ; 128,67 v1(128.5,66.5) ; 128,81 v1(128.5,81.5) ; 128,82 v1(128.5,82.5) ; 128,84 v1(128.5,84.5) ; 128,86 v1(128.5,86.5) ; 128,87 v1(128.5,87.5) ; 129,62 v1(129.5,61.5) ; 129,63 v1(129.5,62.5) ; 129,64 v1(129.5,63.5) ; 129,65 v1(129.5,64.5) ; 129,77 v1(129.5,77.5) ; 130,63 v1(130.5,62.5)
  Top Layer w0.15: v1(105.5,88.5) 106,88 ; v1(109.5,88.5) 110,88 ; v1(110.5,88.5) 111,88 ; v1(111.5,87.5) 112,87 ; v1(111.5,88.5) 112,88
  Top Layer w0.3: 132.1,117.7 v1(132.5,117.7)
  Bottom Layer w0.1: v1(135.75,92.75) 136,93 136,93.4 ; v1(135.75,95.75) 136,95.5 136,95 ; v1(136.5,92) 136.8,92.3 136.8,93.4 ; v1(136.5,96.25) 136.8,95.95 136.8,95 ; 137.6,95 137.6,96.1 v1(137.75,96.25) ; 138.4,95 138.4,95.4 v1(138.75,95.75) ; v1(140.75,95.75) 141,95.5 141,95 ; v1(141.5,96.25) 141.8,95.95 141.8,95 ; 142.6,95 142.6,96.1 v1(142.75,96.25) ; 143.4,95 143.4,95.4 v1(143.75,95.75)
  Bottom Layer w0.125: v1@122.45,78.45 v1(122.5,78.5)

## Polygon pours and split planes (outlines as drawn)
0V on Top Layer "case" (solid, pour order 7): 156,27 156,29 42,29 42,27
0V on Top Layer "case" (solid, pour order 5): 37,34 37,118 35,118 35,34
0V on Top Layer "case" (solid, pour order 3): 161,34 163,34 163,118 161,118
0V on Ground_1 (split plane): 163.49,26.51 35.211,26.51 34.51,27.211 34.51,125.49 163.49,125.49
0V on Ground_2 (split plane): 163.49,26.51 35.211,26.51 34.51,27.211 34.51,125.49 163.49,125.49

## Keep-outs
Keep-Out Layer:
  lines w0.254: 35,32 35,120 40,120 40,125 158,125 158,120 163,120 163,32 158,32 158,27 40,27 40,32 35,32

## Other copper
Top Layer:
  region: 163,125 156,125 156,118 163,118
  rectangle: -86,118 -79,125
  region: 42,34 35,34 35,27 42,27
  region: 163,34 156,34 156,27 163,27
  rectangle: 35,118 42,125
  rectangle: 40,123 158,125

## Text inside footprints (layer, text, board x,y; h text height)
C143: Top Overlay "+" at 566.528,163.247 h0.94 r90
C152: Top Overlay "+" at 488.528,163.247 h0.94 r90
X4: Top Overlay "usb_3" at 168.79,104.52 h1.5 r90